# KiCad board sr99-stm32-hotswap.kicad_pcb (continued)
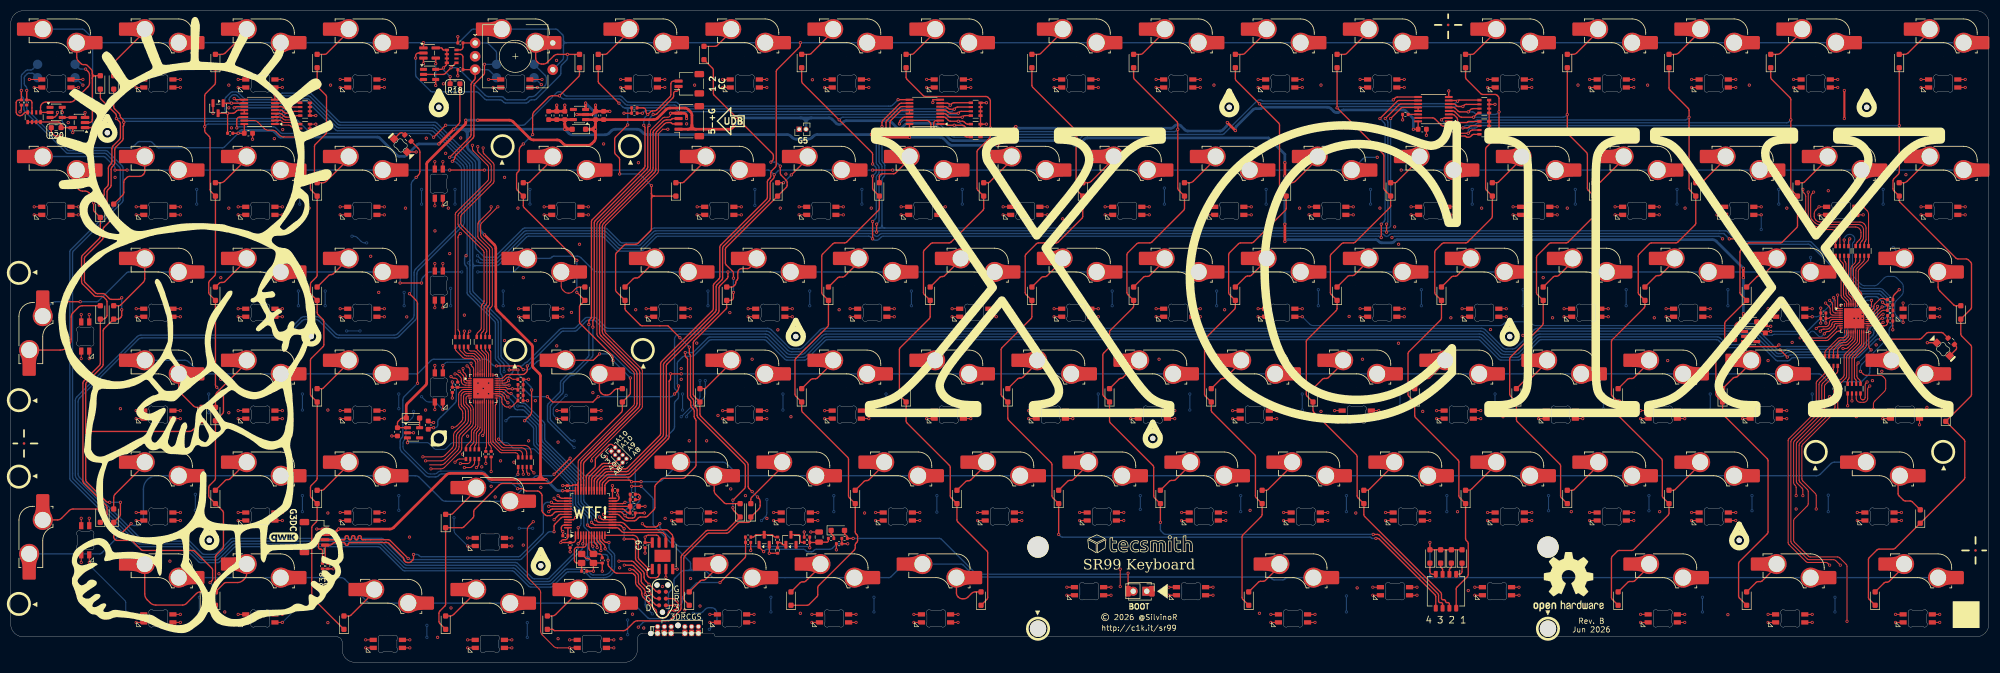
[diagram p0: board, top side]
## Routing (per net, layer and track width the routed paths; a pad name or vN(x,y) marks a point on that pad's centre or on a via; arc(x,y) is an arc through that point) (continued)
LED1: length 158.9
  Top w0.2: W1.4 365.24,107.47 ; W54.4 v1(356.53,44.41) ; W71.4 v1(353.16,26.51) ; W37.4 v1(360.3,64.61) ; v1(341.24,68.66) 341.24,66.37 arc(341.31,66.19) 341.49,66.11 U9.1 ; W87.4 v1(360.3,7.46) ; W19.4 v1(365.06,83.66)
  In2.Cu w0.4: 361.26,65.56 v1(360.3,64.61) 360.3,64.6 365.44,59.46 arc(365.66,59.13) 365.74,58.74 365.74,49.08 arc(365.66,48.69) 365.44,48.36 361.79,44.71 arc(361.46,44.49) 361.07,44.41 v1(356.53,44.41) 356.53,30.3 arc(356.45,29.91) 356.23,29.58 v1(353.16,26.51) 353.16,25.66 arc(353.23,25.28) 353.45,24.95 358.44,19.96 arc(358.77,19.74) 359.16,19.66 361.32,19.66 arc(361.71,19.59) 362.04,19.36 363.44,17.96 arc(363.66,17.63) 363.74,17.24 363.74,11.32 arc(363.66,10.93) 363.44,10.6 v1(360.3,7.46) ; 361.26,65.56 361.26,65.57 362.29,66.61 ; 361.26,65.56 arc(361.48,66.1) 361.26,66.64 ; v1(341.24,68.66) 345.69,68.66 arc(346.08,68.74) 346.41,68.96 346.52,69.07 arc(346.85,69.29) 347.23,69.37 349.55,69.37 arc(349.93,69.29) 350.26,69.07 351.11,68.23 arc(351.44,68.01) 351.82,67.93 359.55,67.93 arc(359.94,67.85) 360.27,67.63 361.26,66.64 ; v1(365.06,107.47) 365.06,98.26 arc(365.14,97.87) 365.36,97.54 367.44,95.46 arc(367.66,95.13) 367.74,94.74 367.74,86.75 arc(367.66,86.36) 367.44,86.03 v1(365.06,83.66) 365.06,69.79 arc(364.99,69.4) 364.76,69.07 362.34,66.64 arc(361.8,66.42) 361.26,66.64 ; 360.87,64.04 arc(360.63,64.61) 360.87,65.17 ; 357.33,44.41 arc(356.77,44.18) 356.53,43.61
LED1_CS: length 284.7
  Top w0.2: v1(349.72,65.07) 349.68,65.07 arc(349.49,65.03) 349.32,64.92 348.66,64.26 arc(348.5,64.15) 348.3,64.11 U9.25
  Top w0.254: v1(110.74,27.66) 111.09,27.31 arc(111.25,27.2) 111.45,27.16 U1.17
  In1.Cu w0.4: v1(347.99,62.16) 347.99,64.06 arc(348.29,64.77) 349,65.07 349.62,65.07
  Bottom w0.254: v1(110.74,27.66) 111.1,28.02 arc(111.26,28.13) 111.46,28.17 114.37,28.17 arc(114.57,28.21) 114.73,28.32 116.51,30.1 arc(116.62,30.26) 116.66,30.46 116.66,36.12 arc(116.69,36.31) 116.8,36.48 123.69,43.36 arc(123.91,43.69) 123.99,44.08 123.99,48.45 arc(124.03,48.65) 124.14,48.81 124.59,49.26 arc(124.7,49.43) 124.74,49.62 124.74,50.2 arc(124.7,50.4) 124.59,50.56 124.14,51.01 arc(124.03,51.18) 123.99,51.37 123.99,60.34 arc(124.29,61.06) 125,61.36 140.97,61.36 arc(141.36,61.28) 141.69,61.06 144.91,57.84 arc(145.24,57.62) 145.63,57.54 147.62,57.54 arc(148.01,57.62) 148.34,57.84 151.58,61.07 arc(151.91,61.29) 152.3,61.37 274.33,61.37 arc(274.72,61.29) 275.05,61.07 278.28,57.85 arc(278.61,57.63) 279,57.55 280.97,57.55 arc(281.36,57.63) 281.69,57.85 284.92,61.07 arc(285.25,61.29) 285.63,61.37 324.16,61.37 arc(324.36,61.41) 324.52,61.52 324.54,61.54 arc(324.71,61.65) 324.9,61.69 325.05,61.69 arc(325.25,61.65) 325.41,61.54 329.62,57.34 arc(329.78,57.23) 329.97,57.19 330.79,57.19 arc(330.99,57.23) 331.15,57.34 331.68,57.86 arc(331.84,57.97) 332.03,58.01 344.45,58.01 arc(344.65,58.05) 344.81,58.16 347.84,61.18 arc(347.95,61.35) 347.99,61.54 v1(347.99,62.16)
LED2: length 135.4
  Top w0.2: W38.4 v1(336.49,64.61) ; W55.4 v1(331.73,45.56) ; W20.4 v1(346.01,83.66) ; W88.4 v1(336.49,7.46) ; W2.4 v1(341.25,107.47) ; U9.2 341.26,65.71 arc(340.9,65.86) 340.75,66.22 340.75,67.69 arc(340.72,67.88) 340.61,68.04 v1(340.49,68.16)
  In2.Cu w0.4: v1(340.74,9.41) 340.74,8.83 arc(340.66,8.44) 340.44,8.11 340.08,7.76 arc(339.75,7.53) 339.36,7.46 v1(336.49,7.46) ; v1(336.49,50.16) v1(336.49,64.61) ; v1(349.74,88.41) 349.74,95.74 arc(349.66,96.13) 349.44,96.46 341.55,104.35 arc(341.33,104.68) 341.25,105.07 v1(341.25,107.47) ; v1(339.49,28.16) 339.49,27.58 arc(339.56,27.19) 339.79,26.86 340.44,26.21 arc(340.66,25.88) 340.74,25.49 v1(340.74,12.16) ; 346.81,83.66 348.31,83.66 arc(348.7,83.73) 349.03,83.96 349.44,84.36 arc(349.66,84.69) 349.74,85.08 v1(349.74,85.66) ; 346.81,83.66 v1(346.01,83.66) 346.01,82.86 ; 346.81,83.66 arc(346.25,83.42) 346.01,82.86 ; 346.01,82.86 346.01,75.26 arc(345.94,74.87) 345.71,74.54 340.45,69.28 arc(340.23,68.74) 340.45,68.2 v1(340.49,68.16) ; v1(336.49,47.16) 336.49,46.74 arc(336.43,46.44) 336.25,46.18 335.87,45.79 arc(335.61,45.62) 335.3,45.56 v1(331.73,45.56) 331.73,39.83 arc(331.8,39.44) 332.02,39.11 338.73,32.41 338.74,32.41 339.19,31.96 arc(339.4,31.65) 339.49,31.28 v1(339.49,31.24) ; 332.53,45.55 arc(331.96,45.32) 331.73,44.75
  Bottom w0.2: v1(340.49,68.16) 340.49,67.86 arc(340.41,67.47) 340.19,67.14 337.95,64.91 arc(337.62,64.68) 337.23,64.61 v1(336.49,64.61) ; v1(340.74,12.16) v1(340.74,9.41) ; v1(339.49,31.24) v1(339.49,28.16) ; v1(336.49,47.16) v1(336.49,50.16) ; v1(349.74,88.41) v1(349.74,85.66)
LED2_CS: length 35.8
  Top w0.2: U10.25 92.07,51.01 arc(92.26,50.97) 92.42,50.86 92.89,50.4 arc(93.06,50.29) 93.25,50.25 v1(93.45,50.25)
  Top w0.254: U1.16 110.7,26.66 arc(110.5,26.7) 110.34,26.81 v1(109.99,27.16)
  Bottom w0.254: v1(109.99,27.16) 107.19,29.96 arc(107.08,30.13) 107.04,30.32 107.04,34.04 arc(107,34.24) 106.89,34.4 99.89,41.4 arc(99.78,41.57) 99.74,41.76 99.74,44.52 arc(99.7,44.72) 99.59,44.88 96.17,48.31 arc(96,48.42) 95.81,48.45 95.46,48.45 arc(95.26,48.49) 95.1,48.6 v1(93.45,50.25)
LED3: length 169.9
  Top w0.2: W39.4 v1(317.44,64.61) ; v1(339.74,67.66) 340.15,67.25 arc(340.26,67.09) 340.3,66.89 340.3,65.82 arc(340.45,65.46) 340.8,65.31 U9.3 ; W3.4 v1(322.2,107.47) ; W21.4 v1(326.96,83.66) ; W72.4 v1(322.2,26.51) ; W56.4 v1(312.68,45.56) ; W89.4 v1(312.68,7.46)
  In2.Cu w0.4: v1(325.24,31.16) 325.24,38.74 arc(325.16,39.13) 324.94,39.46 323.79,40.61 arc(323.46,40.84) 323.07,40.91 319.41,40.91 arc(319.02,40.99) 318.69,41.21 317.74,42.16 arc(317.51,42.49) 317.44,42.88 317.44,44.76 ; 317.44,44.76 317.44,46.36 ; 317.44,44.76 arc(317.2,45.32) 316.64,45.56 ; 315.99,9.33 315.99,9.29 arc(315.9,8.93) 315.69,8.61 314.83,7.76 arc(314.5,7.53) 314.11,7.46 v1(312.68,7.46) ; v1(317.44,47.16) 317.44,46.36 ; 317.44,46.36 arc(317.2,45.79) 316.64,45.56 ; 316.64,45.56 v1(312.68,45.56) ; 326.99,83.63 v1(326.96,83.66) 329.44,83.66 ; 329.44,83.66 331.04,83.66 ; 329.44,83.66 arc(330,83.89) 330.24,84.46 ; 331.04,83.66 332.07,83.66 arc(332.46,83.58) 332.79,83.36 341.77,74.38 arc(341.99,74.05) 342.07,73.66 342.07,72.41 arc(341.99,72.02) 341.77,71.69 339.54,69.45 arc(339.31,69.12) 339.24,68.73 339.24,68.58 arc(339.31,68.19) 339.54,67.86 v1(339.74,67.66) ; 331.04,83.66 arc(330.47,83.89) 330.24,84.46 ; v1(322.2,107.47) 322.2,107.46 325.05,104.61 325.05,104.6 329.94,99.71 arc(330.16,99.38) 330.24,98.99 v1(330.24,88.41) ; v1(317.44,50.16) 317.44,56.56 arc(317.4,56.76) 317.29,56.92 316.92,57.29 arc(316.81,57.46) 316.77,57.65 316.77,59.94 arc(316.81,60.14) 316.92,60.3 317.29,60.67 arc(317.4,60.84) 317.44,61.03 v1(317.44,64.61) 319.26,64.61 arc(319.65,64.68) 319.98,64.91 320.44,65.36 arc(320.66,65.69) 320.74,66.08 v1(320.74,66.66) ; v1(320.74,69.66) 320.74,74.27 arc(320.81,74.66) 321.04,74.99 v1(326.96,80.91) ; v1(315.99,12.16) 315.99,19.9 arc(316.06,20.28) 316.29,20.61 322.18,26.51 v1(322.2,26.51) 323.41,26.51 arc(323.8,26.58) 324.13,26.81 324.94,27.61 arc(325.15,27.93) 325.24,28.29 v1(325.24,28.33) ; v1(330.24,85.66) 330.24,84.46 ; 318.24,64.61 arc(317.67,64.37) 317.44,63.81
  Bottom w0.2: v1(315.99,12.16) v1(315.99,9.41) ; v1(330.24,88.41) v1(330.24,85.66) ; v1(326.96,83.66) v1(326.96,80.91) ; v1(317.44,50.16) v1(317.44,47.16) ; v1(320.74,69.66) v1(320.74,66.66) ; v1(325.24,31.16) v1(325.24,28.33)
LED4: length 161.8
  Top w0.2: W22.4 v1(307.91,83.66) ; U9.4 340.34,64.91 arc(339.98,65.06) 339.84,65.42 339.84,66.1 arc(339.8,66.3) 339.69,66.46 v1(338.99,67.16) ; 301.76,107.47 303.24,107.47 ; W40.4 v1(298.39,64.61) ; 301.76,26.51 v1(303.15,26.51) ; W57.4 v1(293.62,45.56)
  In2.Cu w0.4: 310.44,83.66 312.04,83.66 ; 310.44,83.66 307.92,83.66 v1(307.91,83.66) 302.04,77.78 arc(301.81,77.45) 301.74,77.06 v1(301.74,69.66) ; 310.44,83.66 arc(311,83.9) 311.24,84.46 ; 312.04,83.66 313.24,83.66 arc(313.63,83.59) 313.96,83.36 315.19,82.13 arc(315.52,81.91) 315.91,81.84 332.83,81.84 arc(333.22,81.76) 333.55,81.54 340.99,74.1 arc(341.21,73.77) 341.29,73.38 341.29,72.74 arc(341.21,72.35) 340.99,72.02 338.73,69.76 arc(338.51,69.43) 338.43,69.04 338.43,68.14 arc(338.51,67.75) 338.73,67.42 v1(338.99,67.16) ; 312.04,83.66 arc(311.47,83.9) 311.24,84.46 ; v1(303.15,107.47) 303.18,107.47 310.94,99.71 arc(311.16,99.38) 311.24,98.99 v1(311.24,88.41) ; v1(303.15,26.51) 304.16,26.51 arc(304.55,26.58) 304.88,26.81 305.69,27.61 arc(305.9,27.93) 305.99,28.29 v1(305.99,28.33) ; 297.49,44.76 297.49,44.24 arc(297.55,43.94) 297.72,43.68 300.25,41.15 arc(300.51,40.97) 300.82,40.91 302.82,40.91 arc(303.21,40.84) 303.54,40.61 305.69,38.46 arc(305.91,38.13) 305.99,37.74 v1(305.99,31.16) ; 297.49,44.76 297.49,46.36 ; 297.49,44.76 arc(297.25,45.32) 296.69,45.56 ; v1(293.62,45.56) 296.69,45.56 ; 296.69,45.56 arc(297.25,45.79) 297.49,46.36 ; v1(297.49,50.16) 297.49,51.2 arc(297.53,51.4) 297.64,51.56 298.24,52.16 arc(298.35,52.33) 298.39,52.52 v1(298.39,64.61) 300.26,64.61 arc(300.65,64.68) 300.98,64.91 301.44,65.36 arc(301.66,65.69) 301.74,66.08 v1(301.74,66.66) ; 297.49,46.36 v1(297.49,47.41) ; v1(311.24,85.66) 311.24,84.46 ; 299.19,64.61 arc(298.62,64.37) 298.39,63.81
  Bottom w0.2: v1(297.49,50.16) v1(297.49,47.41) ; v1(311.24,88.41) v1(311.24,85.66) ; v1(305.99,31.16) v1(305.99,28.33) ; v1(301.74,69.66) v1(301.74,66.66)
LED5: length 197.6
  Top w0.2: W74.4 v1(284.1,26.51) ; W23.4 v1(288.86,83.66) ; W58.4 v1(274.57,45.56) ; W41.4 v1(279.34,64.61) ; W90.4 v1(281.72,12.54) ; W5.4 283.99,107.47 ; U9.6 340.32,64.11 arc(340.12,64.07) 339.96,63.96 339.85,63.85 arc(339.74,63.69) 339.7,63.5 339.7,63.37 arc(339.66,63.17) 339.55,63.01 339.44,62.9 arc(339.27,62.79) 339.08,62.75 337.78,62.75 arc(337.59,62.71) 337.42,62.6 v1(337.24,62.41)
  In1.Cu w0.4: v1(282.99,61.91) 283.39,62.32 arc(283.56,62.43) 283.75,62.47 326.72,62.47 arc(326.92,62.43) 327.08,62.32 328.38,61.02 arc(328.74,60.87) 329.1,61.02 330.34,62.26 arc(330.5,62.37) 330.7,62.41 v1(337.24,62.41) ; v1(284.1,17.16) v1(284.1,14.41)
  In2.Cu w0.4: v1(282.99,61.91) 282.64,62.26 arc(282.53,62.43) 282.49,62.62 282.49,63.81 ; v1(284.1,17.16) v1(284.1,26.51) 285.41,26.51 arc(285.8,26.58) 286.13,26.81 286.94,27.61 arc(287.15,27.93) 287.24,28.29 v1(287.24,28.33) ; v1(284.1,14.41) 284.1,13.7 arc(284.02,13.31) 283.8,12.98 283.66,12.84 arc(283.33,12.61) 282.94,12.54 v1(281.72,12.54) ; v1(287.24,31.16) 287.24,36.49 arc(287.16,36.88) 286.94,37.21 283.54,40.61 arc(283.21,40.84) 282.82,40.91 279.66,40.91 arc(279.27,40.99) 278.94,41.21 277.54,42.61 arc(277.31,42.94) 277.24,43.33 277.24,44.76 ; 282.49,65.41 282.49,63.81 ; 282.49,65.41 v1(282.49,66.66) ; 282.49,65.41 arc(282.25,64.84) 281.69,64.61 ; 282.49,63.81 arc(282.25,64.37) 281.69,64.61 ; v1(292.24,85.66) 292.24,85.04 arc(292.18,84.74) 292,84.48 291.42,83.89 arc(291.16,83.72) 290.85,83.66 v1(288.86,83.66) 282.79,77.58 arc(282.56,77.25) 282.49,76.86 v1(282.49,69.66) ; v1(277.24,50.16) 277.24,62.09 arc(277.31,62.48) 277.54,62.81 v1(279.34,64.61) 281.69,64.61 ; v1(292.24,88.41) 292.24,98.91 arc(292.16,99.3) 291.94,99.63 v1(284.1,107.47) ; v1(274.57,45.56) 276.44,45.56 ; 276.44,45.56 arc(277,45.79) 277.24,46.36 ; 276.44,45.56 arc(277,45.32) 277.24,44.76 ; 277.24,46.36 277.24,44.76 ; 277.24,46.36 v1(277.24,47.16) ; 284.9,26.51 arc(284.33,26.27) 284.1,25.71
  Bottom w0.2: v1(292.24,88.41) v1(292.24,85.66) ; v1(277.24,50.16) v1(277.24,47.16) ; v1(282.49,69.66) v1(282.49,66.66) ; v1(287.24,31.16) v1(287.24,28.33)
LED6: length 228.2
  Top w0.2: W91.4 v1(262.67,12.54) ; W6.4 v1(260.29,107.47) ; W42.4 v1(260.29,64.61) ; U9.7 340.66,63.71 arc(340.3,63.56) 340.16,63.2 340.16,63.18 arc(340.12,62.98) 340.01,62.82 339.63,62.44 arc(339.46,62.33) 339.27,62.29 338.58,62.29 arc(338.38,62.25) 338.22,62.14 v1(337.99,61.91) ; W75.4 v1(265.05,26.51) ; W59.4 v1(255.53,45.56) ; W24.4 v1(269.81,83.66)
  In1.Cu w0.4: v1(261.49,59.66) 264.29,62.47 266.85,62.47 ; v1(268.24,22.41) v1(268.24,14.41) ; 266.79,62.47 273.8,62.47 arc(273.99,62.43) 274.16,62.32 278.5,57.98 arc(278.66,57.87) 278.86,57.83 281.08,57.83 arc(281.27,57.87) 281.44,57.98 285.05,61.59 arc(285.22,61.7) 285.41,61.74 326.27,61.74 arc(326.46,61.7) 326.63,61.59 328.41,59.81 arc(328.77,59.66) 329.13,59.81 330.76,61.43 arc(330.92,61.54) 331.12,61.58 337.45,61.58 arc(337.64,61.62) 337.8,61.73 v1(337.99,61.91)
  In2.Cu w0.4: 268.24,27.31 268.24,25.71 ; 268.24,27.31 v1(268.24,28.16) ; 268.24,27.31 arc(268,26.74) 267.44,26.51 ; 268.24,25.71 v1(268.24,22.41) ; 268.24,25.71 arc(268,26.27) 267.44,26.51 ; v1(272.99,88.41) 272.99,91.74 arc(272.91,92.13) 272.69,92.46 266.29,98.86 arc(266.06,99.19) 265.99,99.58 265.99,101.35 arc(265.91,101.74) 265.69,102.07 v1(260.29,107.47) ; v1(268.24,31.16) 268.24,37.49 arc(268.16,37.88) 267.94,38.21 265.54,40.61 arc(265.21,40.84) 264.82,40.91 263.16,40.91 arc(262.77,40.99) 262.44,41.21 259.49,44.16 259.49,44.76 ; 260.29,60.46 v1(260.29,64.61) 261.76,64.61 arc(262.15,64.68) 262.48,64.91 263.19,65.61 arc(263.41,65.94) 263.49,66.33 v1(263.49,66.66) ; 260.29,60.46 260.29,58.86 ; 260.29,60.46 arc(260.52,59.9) 261.09,59.66 ; v1(268.24,14.41) 268.24,14.08 arc(268.16,13.69) 267.94,13.36 267.41,12.84 arc(267.08,12.61) 266.69,12.54 v1(262.67,12.54) ; 260.29,58.86 260.29,51.78 arc(260.23,51.49) 260.06,51.24 259.71,50.89 arc(259.55,50.64) 259.49,50.35 v1(259.49,50.16) ; 260.29,58.86 arc(260.52,59.43) 261.09,59.66 ; v1(265.05,26.51) 267.44,26.51 ; v1(263.49,69.66) 263.49,76.91 arc(263.56,77.3) 263.79,77.63 v1(269.81,83.66) 271.56,83.66 arc(271.95,83.73) 272.28,83.96 272.69,84.36 arc(272.91,84.69) 272.99,85.08 v1(272.99,85.66) ; 261.09,59.66 v1(261.49,59.66) ; 259.49,44.76 259.49,46.36 ; 259.49,44.76 arc(259.25,45.32) 258.69,45.56 ; v1(259.49,47.16) 259.49,46.36 ; 259.49,46.36 arc(259.25,45.79) 258.69,45.56 ; v1(255.53,45.56) 258.69,45.56 ; 261.09,64.61 arc(260.52,64.37) 260.29,63.81
  Bottom w0.2: v1(263.49,69.66) v1(263.49,66.66) ; v1(259.49,50.16) v1(259.49,47.16) ; v1(272.99,88.41) v1(272.99,85.66) ; v1(268.24,31.16) v1(268.24,28.16)
LED7: length 251.6
  Top w0.2: v1(338.74,61.41) 339.09,61.77 arc(339.18,61.82) 339.27,61.84 339.56,61.84 arc(339.66,61.86) 339.74,61.92 340.52,62.7 arc(340.58,62.78) 340.6,62.88 340.6,63.06 arc(340.67,63.24) 340.85,63.31 U9.8 ; W7.4 v1(241.24,107.47) ; W76.4 v1(246,26.51) ; W60.4 v1(236.48,45.56) ; W25.4 v1(250.76,83.66) ; W92.4 v1(243.62,7.46) ; W43.4 v1(241.24,64.61)
  In2.Cu w0.4: 241.24,44.76 241.24,46.36 ; 241.24,44.76 241.24,43.58 arc(241.31,43.19) 241.54,42.86 243.19,41.21 arc(243.52,40.99) 243.91,40.91 246.82,40.91 arc(247.21,40.84) 247.54,40.61 249.19,38.96 arc(249.41,38.63) 249.49,38.24 v1(249.49,31.16) ; 241.24,44.76 arc(241,45.32) 240.44,45.56 ; 241.24,46.36 v1(241.24,47.16) ; 241.24,46.36 arc(241,45.79) 240.44,45.56 ; v1(249.49,9.41) 249.49,9.24 arc(249.43,8.94) 249.25,8.68 248.27,7.69 arc(248.01,7.52) 247.7,7.46 v1(243.62,7.46) ; v1(241.24,50.16) v1(241.24,64.61) 242.51,64.61 arc(242.9,64.68) 243.23,64.91 243.94,65.61 arc(244.16,65.94) 244.24,66.33 v1(244.24,66.66) ; v1(253.99,85.66) 253.99,85.08 arc(253.91,84.69) 253.69,84.36 253.28,83.96 arc(252.95,83.73) 252.56,83.66 v1(250.76,83.66) 244.54,77.43 arc(244.31,77.1) 244.24,76.71 v1(244.24,69.66) ; 249.49,27.31 249.49,25.71 ; 249.49,27.31 v1(249.49,28.16) ; 249.49,27.31 arc(249.25,26.74) 248.69,26.51 ; 249.49,25.71 v1(249.49,12.41) ; 249.49,25.71 arc(249.25,26.27) 248.69,26.51 ; 240.44,45.56 v1(236.48,45.56) ; v1(253.99,88.41) 253.99,94.74 arc(253.91,95.13) 253.69,95.46 252.04,97.11 arc(251.71,97.34) 251.32,97.41 246.91,97.41 arc(246.52,97.49) 246.19,97.71 241.54,102.36 arc(241.31,102.69) 241.24,103.08 v1(241.24,107.47) ; v1(246,26.51) 248.69,26.51 ; 242.04,64.61 arc(241.47,64.37) 241.24,63.81
  Bottom w0.2: v1(241.24,64.61) 242.59,63.25 arc(242.92,63.03) 243.31,62.96 278.11,62.96 arc(278.5,63.03) 278.83,63.25 278.94,63.36 arc(279.27,63.59) 279.66,63.66 283.32,63.66 arc(283.71,63.59) 284.04,63.36 284.15,63.25 arc(284.48,63.03) 284.87,62.96 323.4,62.96 arc(323.59,62.99) 323.76,63.1 323.81,63.15 arc(323.97,63.26) 324.17,63.3 325.45,63.3 arc(325.84,63.23) 326.17,63.01 327.88,61.3 arc(328.04,61.19) 328.24,61.15 329.01,61.15 329.05,61.19 arc(329.22,61.3) 329.41,61.34 335.53,61.34 arc(335.73,61.38) 335.89,61.49 336.17,61.76 arc(336.53,61.91) 336.89,61.76 337.63,61.02 arc(337.99,60.87) 338.35,61.02 v1(338.74,61.41) ; v1(249.49,12.41) v1(249.49,9.41) ; v1(249.49,31.16) v1(249.49,28.16) ; v1(244.24,69.66) v1(244.24,66.66) ; v1(241.24,50.16) v1(241.24,47.16) ; v1(253.99,88.41) v1(253.99,85.66)
LED8: length 267.5
  Top w0.2: U9.9 341.31,62.91 arc(341.13,62.84) 341.05,62.66 341.05,62.58 arc(341.03,62.49) 340.98,62.4 339.36,60.78 arc(339.19,60.67) 339,60.63 336.23,60.63 arc(336.03,60.67) 335.87,60.78 335.75,60.9 arc(335.59,61.01) 335.39,61.05 334.83,61.05 arc(334.64,61.01) 334.47,60.9 v1(334.24,60.66) ; W77.4 v1(226.95,26.51) ; W44.4 v1(222.19,64.61) ; W8.4 v1(222.19,107.47) ; W61.4 v1(217.43,45.56) ; W26.4 v1(231.71,83.66)
  Top w0.254: W93.4 v1(224.57,12.54)
  In1.Cu w0.4: v1(220.24,59.66) 222.89,62.32 arc(223.06,62.43) 223.25,62.47 254.72,62.47 arc(254.92,62.43) 255.08,62.32 258.45,58.95 arc(258.61,58.84) 258.81,58.8 261.67,58.8 arc(261.86,58.84) 262.03,58.95 264.59,61.51 arc(264.75,61.62) 264.95,61.66 273.27,61.66 arc(273.47,61.62) 273.63,61.51 278.05,57.1 arc(278.21,56.99) 278.41,56.95 281.42,56.95 arc(281.62,56.99) 281.78,57.1 285.45,60.76 arc(285.61,60.87) 285.81,60.91 316.78,60.91 arc(316.97,60.87) 317.14,60.76 v1(318.49,59.41) ; v1(226.95,17.12) v1(226.95,14.66)
  In2.Cu w0.4: v1(229.74,28.16) 229.74,27.83 arc(229.66,27.44) 229.44,27.11 229.13,26.81 arc(228.8,26.58) 228.41,26.51 v1(226.95,26.51) v1(226.95,17.12) ; v1(229.74,31.16) 229.74,38.24 arc(229.66,38.63) 229.44,38.96 227.79,40.61 arc(227.46,40.84) 227.07,40.91 223.16,40.91 arc(222.77,40.99) 222.44,41.21 220.54,43.11 arc(220.31,43.44) 220.24,43.83 220.24,44.76 ; v1(225.24,66.66) 225.24,66.33 arc(225.16,65.94) 224.94,65.61 224.23,64.91 arc(223.9,64.68) 223.51,64.61 v1(222.19,64.61) 220.54,62.96 arc(220.31,62.63) 220.24,62.24 v1(220.24,59.66) v1(220.24,50.16) ; v1(234.49,85.66) 234.49,85.24 arc(234.43,84.94) 234.25,84.68 233.47,83.89 arc(233.21,83.72) 232.9,83.66 v1(231.71,83.66) 225.54,77.48 arc(225.31,77.15) 225.24,76.76 v1(225.24,69.41) ; v1(318.49,59.41) 320.96,61.88 arc(321.12,61.99) 321.32,62.03 326.55,62.03 arc(326.75,61.99) 326.91,61.88 327.79,61 arc(327.95,60.89) 328.15,60.85 328.97,60.85 arc(329.16,60.89) 329.33,61 329.59,61.26 arc(329.75,61.37) 329.95,61.41 333.28,61.41 arc(333.47,61.37) 333.64,61.26 v1(334.24,60.66) ; 220.24,46.36 220.24,44.76 ; 220.24,46.36 v1(220.24,47.16) ; 220.24,46.36 arc(220,45.79) 219.44,45.56 ; 220.24,44.76 arc(220,45.32) 219.44,45.56 ; v1(224.57,12.54) 225.19,12.54 arc(225.58,12.61) 225.91,12.84 226.65,13.58 arc(226.87,13.91) 226.95,14.3 v1(226.95,14.66) ; v1(217.43,45.56) 219.44,45.56 ; v1(222.19,107.47) 222.19,103.38 arc(222.26,102.99) 222.49,102.66 227.29,97.86 arc(227.62,97.64) 228,97.57 232.24,97.57 arc(232.63,97.49) 232.96,97.27 234.19,96.03 arc(234.41,95.71) 234.49,95.32 v1(234.49,88.41) ; 227.75,26.51 arc(227.18,26.27) 226.95,25.71
  Bottom w0.2: v1(229.74,31.16) v1(229.74,28.16) ; v1(234.49,88.41) v1(234.49,85.66) ; v1(220.24,50.16) v1(220.24,47.16) ; v1(225.24,69.41) v1(225.24,66.66)
LED9: length 279.5
  Top w0.2: W62.4 v1(198.38,45.56) ; W9.4 v1(203.14,107.47) ; v1(334.99,60.16) 339.21,60.16 arc(339.4,60.2) 339.56,60.31 341.03,61.77 arc(341.19,61.88) 341.39,61.92 341.6,61.92 arc(341.78,62) 341.85,62.18 U9.10 ; v1(207.24,14.16) v1(207.24,17.41) ; W45.4 v1(203.14,64.61) ; W27.4 v1(212.66,83.66) ; W78.4 v1(207.9,26.51)
  Top w0.254: W94.4 v1(205.52,12.54)
  In1.Cu w0.4: v1(318.49,58.41) 318.32,58.41 arc(318.12,58.45) 317.96,58.56 316.64,59.88 arc(316.48,59.99) 316.28,60.03 286.14,60.03 arc(285.95,59.99) 285.79,59.88 282.15,56.24 arc(281.99,56.13) 281.79,56.09 277.97,56.09 arc(277.78,56.13) 277.61,56.24 273.22,60.64 arc(273.05,60.75) 272.86,60.79 265.37,60.79 arc(265.18,60.75) 265.01,60.64 262.5,58.12 arc(262.33,58.01) 262.14,57.98 258.37,57.98 arc(258.18,58.01) 258.01,58.12 254.62,61.51 arc(254.46,61.62) 254.26,61.66 223.63,61.66 arc(223.43,61.62) 223.27,61.51 220.58,58.82 arc(220.22,58.67) 219.86,58.82 219.32,59.36 arc(218.99,59.59) 218.6,59.66 v1(203.14,59.66)
  In2.Cu w0.4: v1(203.14,47.16) 203.14,46.36 ; 203.14,46.36 203.14,44.76 ; 203.14,46.36 arc(202.9,45.79) 202.34,45.56 ; v1(334.99,60.16) 334.8,59.97 arc(334.63,59.86) 334.44,59.82 334.06,59.82 arc(333.86,59.86) 333.7,59.97 333.24,60.43 arc(333.08,60.54) 332.88,60.58 330.48,60.58 330.47,60.57 330.32,60.57 arc(330.13,60.53) 329.96,60.42 329.62,60.08 arc(329.45,59.97) 329.26,59.93 323.21,59.93 arc(323.02,59.89) 322.85,59.78 321.64,58.56 arc(321.47,58.45) 321.28,58.41 v1(318.49,58.41) ; v1(203.14,50.16) v1(203.14,59.66) v1(203.14,64.61) 204.01,64.61 arc(204.4,64.68) 204.73,64.91 205.44,65.61 arc(205.66,65.94) 205.74,66.33 v1(205.74,66.66) ; 207.9,25.71 207.9,24.25 arc(207.82,23.86) 207.6,23.53 207.54,23.46 arc(207.31,23.13) 207.24,22.74 v1(207.24,17.41) ; 207.9,25.71 v1(207.9,26.51) 208.7,26.51 ; 207.9,25.71 arc(208.13,26.27) 208.7,26.51 ; 203.14,44.76 203.14,44.68 arc(203.21,44.29) 203.44,43.96 210.69,36.71 arc(210.91,36.38) 210.99,35.99 v1(210.99,31.16) ; 203.14,44.76 arc(202.9,45.32) 202.34,45.56 ; v1(205.52,12.54) 206.19,12.54 arc(206.58,12.61) 206.91,12.84 206.94,12.86 arc(207.16,13.19) 207.24,13.58 v1(207.24,14.16) ; v1(210.99,28.58) 210.99,28.54 arc(210.9,28.18) 210.69,27.86 209.63,26.81 arc(209.3,26.58) 208.91,26.51 208.7,26.51 ; v1(215.49,88.66) 215.49,94.74 arc(215.41,95.13) 215.19,95.46 203.18,107.47 v1(203.14,107.47) ; v1(215.49,85.66) 213.78,83.96 arc(213.45,83.73) 213.06,83.66 v1(212.66,83.66) 206.04,77.03 arc(205.81,76.7) 205.74,76.31 v1(205.74,69.41) ; v1(198.38,45.56) 202.34,45.56 ; 203.94,64.61 arc(203.37,64.37) 203.14,63.81
  Bottom w0.2: v1(210.99,31.16) v1(210.99,28.58) ; v1(203.14,50.16) v1(203.14,47.16) ; v1(215.49,88.66) v1(215.49,85.66) ; v1(205.74,66.66) v1(205.74,69.41)
LED10: length 53.7
  Top w0.2: 86.46,53.69 86.46,54.83 arc(86.42,55.03) 86.31,55.19 86.14,55.37 arc(86.03,55.53) 85.99,55.73 v1(85.99,55.91) ; W105.4 v1(80.71,74.55) ; W104.4 v1(80.71,93.6)
  Top w0.254: W106.4 v1(80.71,55.5)
  In2.Cu w0.4: v1(82.17,66.66) 82.17,66.31 arc(82.14,66.11) 82.03,65.95 80.86,64.79 arc(80.75,64.62) 80.71,64.43 v1(80.71,55.5) ; v1(82.17,69.91) 82.17,72.88 arc(82.14,73.07) 82.03,73.24 v1(80.71,74.55) 80.74,74.57 80.74,82.41 82.99,84.66 v1(82.99,85.66) ; v1(80.71,93.6) 81.55,93.6 82.99,92.16 v1(82.99,88.41)
  Bottom w0.2: v1(82.99,85.66) v1(82.99,88.41) ; v1(85.99,55.91) 85.95,55.95 arc(85.78,56.06) 85.59,56.1 81.53,56.1 arc(81.33,56.06) 81.17,55.95 v1(80.71,55.5) ; v1(82.17,69.91) v1(82.17,66.66)
LED11: length 250.5
  Top w0.2: W63.4 v1(179.33,45.56) ; W95.4 v1(176.94,7.46) ; W28.4 v1(193.61,83.66) ; W46.4 v1(184.09,64.61) ; W10.4 v1(179.33,107.47) ; U10.1 85.79,54.65 arc(85.75,54.85) 85.64,55.01 v1(85.24,55.41) ; W79.4 v1(188.85,26.51)
  In1.Cu w0.4: v1(85.24,55.41) 85.24,56.1 arc(85.28,56.3) 85.39,56.46 85.47,56.54 arc(85.63,56.65) 85.83,56.69 91.7,56.69 arc(91.89,56.65) 92.06,56.54 92.9,55.7 arc(93.06,55.59) 93.26,55.56 95.21,55.56 arc(95.4,55.59) 95.57,55.7 99.93,60.07 arc(100.09,60.18) 100.29,60.22 103.97,60.22 arc(104.17,60.18) 104.33,60.07 v1(106.99,57.41) ; v1(120.74,56.91) 126.32,56.91 arc(126.71,56.99) 127.04,57.21 130.48,60.66 arc(130.81,60.88) 131.2,60.96 140.41,60.96 arc(140.8,60.88) 141.13,60.66 144.63,57.15 arc(144.96,56.93) 145.35,56.85 148.02,56.85 arc(148.41,56.93) 148.74,57.15 150.23,58.64 arc(150.55,58.86) 150.94,58.94 160.32,58.94 arc(160.71,58.86) 161.04,58.64 161.06,58.62 arc(161.39,58.4) 161.77,58.32 162.16,58.32 162.96,59.11 arc(163.29,59.34) 163.67,59.41 v1(180.49,59.41)
  In2.Cu w0.4: 182.49,58.61 182.49,49.14 arc(182.41,48.75) 182.19,48.42 v1(179.33,45.56) 181.17,43.71 arc(181.5,43.49) 181.89,43.41 184.57,43.41 arc(184.96,43.34) 185.29,43.11 191.44,36.96 arc(191.66,36.63) 191.74,36.24 191.74,29.82 arc(191.66,29.43) 191.44,29.1 v1(188.85,26.51) 180.54,18.19 arc(180.31,17.86) 180.24,17.47 180.24,11.17 arc(180.16,10.78) 179.94,10.45 v1(176.94,7.46) ; 182.49,58.61 182.49,60.21 ; 182.49,58.61 arc(182.25,59.18) 181.69,59.41 ; v1(120.74,56.91) 119.14,55.31 arc(118.97,55.2) 118.78,55.16 115.2,55.16 arc(115,55.2) 114.84,55.31 112.89,57.26 arc(112.72,57.37) 112.53,57.41 111.95,57.41 arc(111.75,57.37) 111.59,57.26 111.14,56.81 arc(110.97,56.7) 110.78,56.66 107.95,56.66 arc(107.75,56.7) 107.59,56.81 v1(106.99,57.41) ; v1(180.49,59.41) 181.69,59.41 ; 181.69,59.41 arc(182.25,59.65) 182.49,60.21 ; v1(179.33,107.47) 183.01,107.47 arc(183.4,107.39) 183.73,107.17 196.19,94.71 arc(196.41,94.38) 196.49,93.99 196.49,86.95 arc(196.41,86.56) 196.19,86.23 v1(193.61,83.66) 187.54,77.58 arc(187.31,77.25) 187.24,76.86 187.24,68.18 arc(187.16,67.79) 186.94,67.46 v1(184.09,64.61) 182.79,63.31 arc(182.56,62.98) 182.49,62.59 182.49,60.21
LED12: length 242.9
  Top w0.2: W11.4 v1(160.28,107.47) ; v1(160.28,45.56) W64.4 ; v1(84.49,54.91) 84.49,54.55 arc(84.53,54.35) 84.64,54.19 84.93,53.9 arc(85.04,53.73) 85.08,53.54 85.08,52.87 arc(85.15,52.69) 85.33,52.61 U10.2 ; W47.4 v1(165.04,64.61) ; W96.4 v1(157.89,7.46) ; W29.4 v1(174.56,83.66) ; 168.41,26.51 v1(169.8,26.51)
  In1.Cu w0.4: v1(161.74,59.16) 161.52,59.38 arc(161.19,59.6) 160.8,59.67 150.63,59.67 arc(150.24,59.6) 149.91,59.38 148.41,57.88 arc(148.09,57.66) 147.7,57.59 145.67,57.59 arc(145.28,57.66) 144.95,57.88 141.41,61.42 arc(141.08,61.64) 140.69,61.72 117.46,61.72 arc(117.07,61.64) 116.74,61.42 115.54,60.21 arc(115.31,59.88) 115.24,59.49 v1(115.24,58.66) ; v1(106.99,58.66) 104.81,60.84 arc(104.64,60.95) 104.45,60.99 88.31,60.99 arc(88.12,60.95) 87.95,60.84 84.64,57.53 arc(84.53,57.36) 84.49,57.17 v1(84.49,54.91)
  In2.Cu w0.4: 163.49,59.96 163.49,58.36 ; 163.49,59.96 163.49,62.64 arc(163.56,63.03) 163.79,63.36 v1(165.04,64.61) 166.76,64.61 arc(167.15,64.68) 167.48,64.91 167.94,65.36 arc(168.16,65.69) 168.24,66.08 v1(168.24,66.66) ; 163.49,59.96 arc(163.25,59.4) 162.69,59.16 ; 163.49,58.36 v1(163.49,50.16) ; 163.49,58.36 arc(163.25,58.93) 162.69,59.16 ; v1(172.99,31.16) 172.99,37.24 arc(172.91,37.63) 172.69,37.96 170.04,40.61 arc(169.71,40.84) 169.32,40.91 166.41,40.91 arc(166.02,40.99) 165.69,41.21 163.79,43.11 arc(163.56,43.44) 163.49,43.83 163.49,44.76 ; v1(177.74,85.66) 177.74,85.08 arc(177.66,84.69) 177.44,84.36 177.03,83.96 arc(176.7,83.73) 176.31,83.66 v1(174.56,83.66) 168.54,77.63 arc(168.31,77.3) 168.24,76.91 v1(168.24,69.41) ; v1(161.24,12.16) 161.24,17.52 arc(161.31,17.91) 161.54,18.24 v1(169.8,26.51) 171.41,26.51 arc(171.8,26.58) 172.13,26.81 172.69,27.36 arc(172.9,27.68) 172.99,28.04 v1(172.99,28.08) ; v1(106.99,58.66) 107.34,59.01 arc(107.5,59.12) 107.7,59.16 113.28,59.16 arc(113.47,59.12) 113.64,59.01 113.84,58.81 arc(114,58.7) 114.2,58.66 v1(115.24,58.66) ; 163.49,46.36 v1(163.49,47.16) ; 163.49,46.36 163.49,44.76 ; 163.49,46.36 arc(163.25,45.79) 162.69,45.56 ; 163.49,44.76 arc(163.25,45.32) 162.69,45.56 ; v1(177.74,88.41) 177.74,93.74 arc(177.66,94.13) 177.44,94.46 174.79,97.11 arc(174.46,97.34) 174.07,97.41 164.16,97.41 arc(163.77,97.49) 163.44,97.71 160.57,100.58 arc(160.35,100.91) 160.28,101.3 v1(160.28,107.47) ; 162.69,45.56 v1(160.28,45.56) ; v1(157.89,7.46) 159.86,7.46 arc(160.25,7.53) 160.58,7.76 160.94,8.11 arc(161.16,8.44) 161.24,8.83 v1(161.24,9.41) ; v1(161.74,59.16) 162.69,59.16